# Altium PCB roach2.PcbDoc (part 4 of 39) (continued)
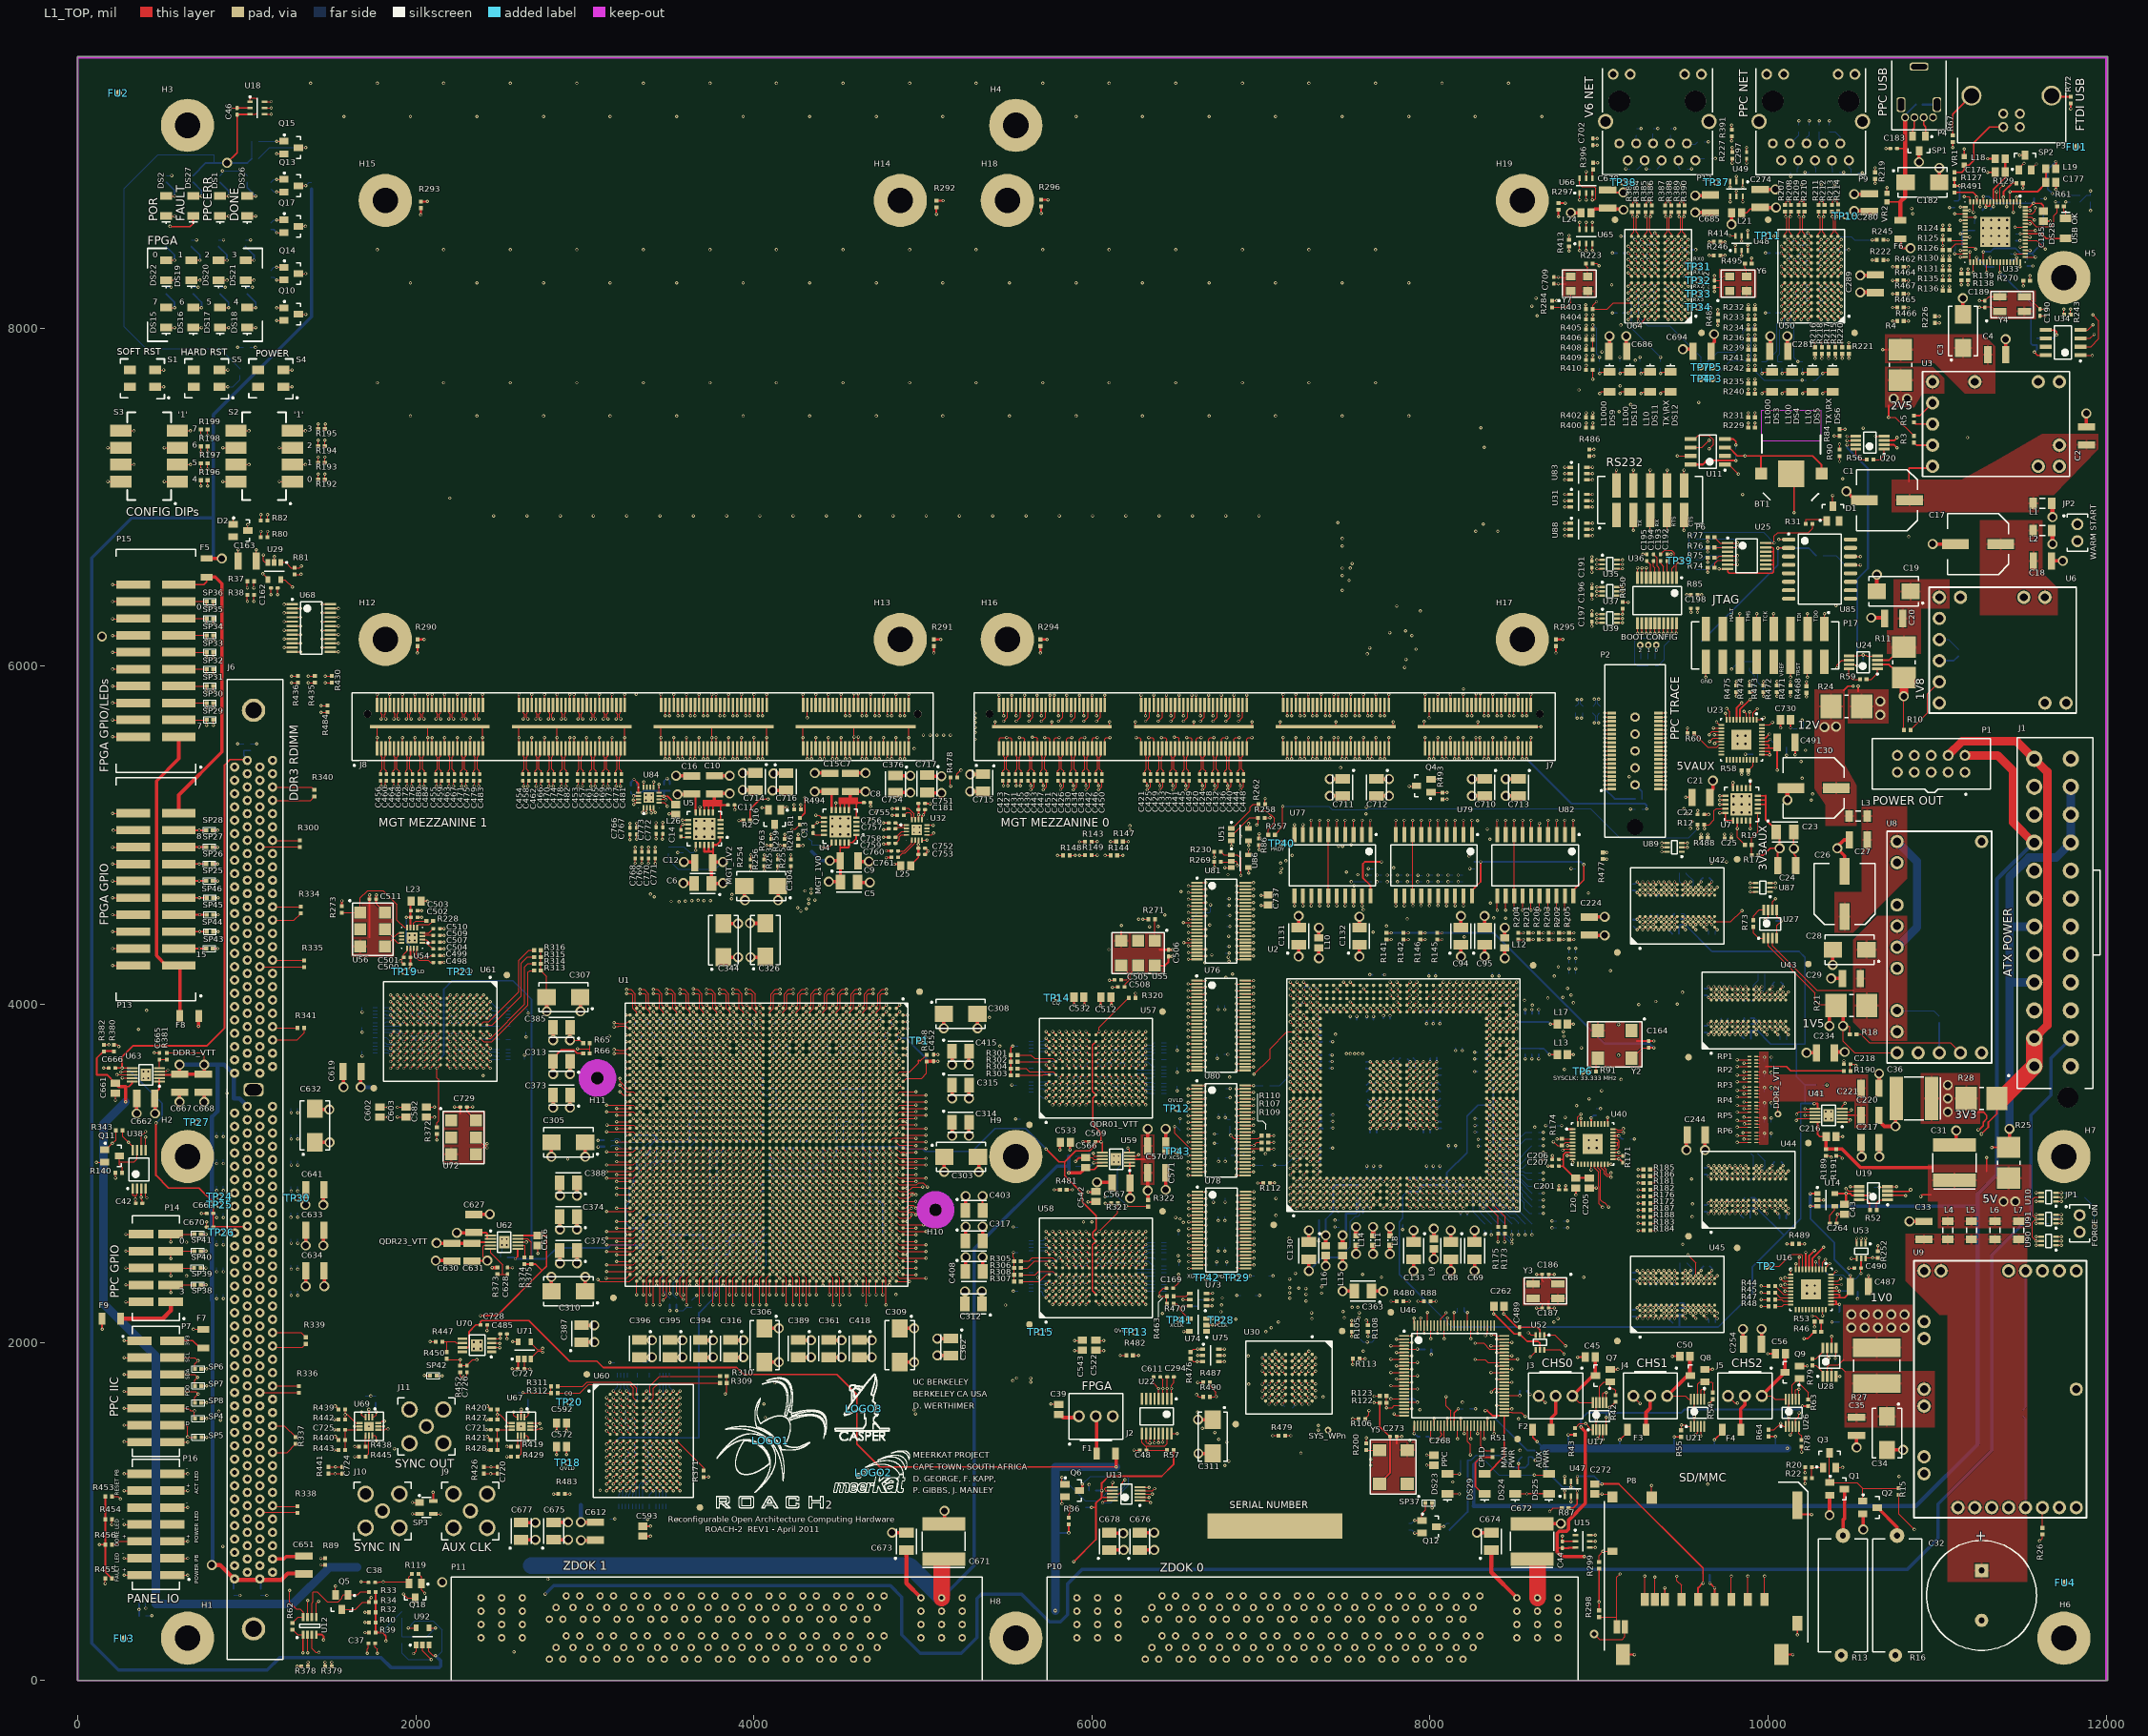
[diagram p0: L1_TOP view]
## Footprints (in the part's own frame and the unit in brackets; to place one, negate y for a bottom-side part, rotate by r counter-clockwise, add the part's x,y. Pads: shape width x height; smd on the part's side, far side on the other; paste and mask are expansions set on the pad) (continued)
J4(-17.5,12.5) J5(-16.5,12.5) J6(-15.5,12.5) J7(-14.5,12.5) J8(-13.5,12.5) J9(-12.5,12.5) J10(-11.5,12.5) J11(-10.5,12.5) J12(-9.5,12.5) J13(-8.5,12.5) J14(-7.5,12.5) J15(-6.5,12.5) J16(-5.5,12.5) J17(-4.5,12.5) J18(-3.5,12.5) J19(-2.5,12.5) J20(-1.5,12.5) J21(-0.5,12.5) J22(0.5,12.5) J23(1.5,12.5) J24(2.5,12.5) J25(3.5,12.5) J26(4.5,12.5) J27(5.5,12.5) J28(6.5,12.5) J29(7.5,12.5) J30(8.5,12.5) J31(9.5,12.5) J32(10.5,12.5) J33(11.5,12.5) J34(12.5,12.5) J35(13.5,12.5) J36(14.5,12.5) J37(15.5,12.5) J38(16.5,12.5) J39(17.5,12.5) J40(18.5,12.5) J41(19.5,12.5) J42(20.5,12.5) K1(-20.5,11.5) K2(-19.5,11.5) K3(-18.5,11.5) K4(-17.5,11.5) K5(-16.5,11.5) K6(-15.5,11.5) K7(-14.5,11.5) K8(-13.5,11.5) K9(-12.5,11.5) K10(-11.5,11.5) K11(-10.5,11.5) K12(-9.5,11.5) K13(-8.5,11.5) K14(-7.5,11.5) K15(-6.5,11.5) K16(-5.5,11.5) K17(-4.5,11.5) K18(-3.5,11.5) K19(-2.5,11.5) K20(-1.5,11.5) K21(-0.5,11.5) K22(0.5,11.5) K23(1.5,11.5) K24(2.5,11.5) K25(3.5,11.5) K26(4.5,11.5) K27(5.5,11.5) K28(6.5,11.5) K29(7.5,11.5) K30(8.5,11.5) K31(9.5,11.5) K32(10.5,11.5) K33(11.5,11.5) K34(12.5,11.5) K35(13.5,11.5) K36(14.5,11.5) K37(15.5,11.5) K38(16.5,11.5) K39(17.5,11.5) K40(18.5,11.5) K41(19.5,11.5) K42(20.5,11.5) L1(-20.5,10.5) L2(-19.5,10.5) L3(-18.5,10.5) L4(-17.5,10.5) L5(-16.5,10.5) L6(-15.5,10.5) L7(-14.5,10.5) L8(-13.5,10.5) L9(-12.5,10.5) L10(-11.5,10.5) L11(-10.5,10.5) L12(-9.5,10.5) L13(-8.5,10.5) L14(-7.5,10.5) L15(-6.5,10.5) L16(-5.5,10.5) L17(-4.5,10.5) L18(-3.5,10.5) L19(-2.5,10.5) L20(-1.5,10.5) L21(-0.5,10.5) L22(0.5,10.5) L23(1.5,10.5) L24(2.5,10.5) L25(3.5,10.5) L26(4.5,10.5) L27(5.5,10.5) L28(6.5,10.5) L29(7.5,10.5) L30(8.5,10.5) L31(9.5,10.5) L32(10.5,10.5) L33(11.5,10.5) L34(12.5,10.5) L35(13.5,10.5) L36(14.5,10.5) L37(15.5,10.5) L38(16.5,10.5) L39(17.5,10.5) L40(18.5,10.5) L41(19.5,10.5) L42(20.5,10.5) M1(-20.5,9.5) M2(-19.5,9.5) M3(-18.5,9.5) M4(-17.5,9.5) M5(-16.5,9.5) M6(-15.5,9.5) M7(-14.5,9.5) M8(-13.5,9.5) M9(-12.5,9.5) M10(-11.5,9.5) M11(-10.5,9.5) M12(-9.5,9.5) M13(-8.5,9.5) M14(-7.5,9.5) M15(-6.5,9.5) M16(-5.5,9.5) M17(-4.5,9.5) M18(-3.5,9.5) M19(-2.5,9.5) M20(-1.5,9.5) M21(-0.5,9.5) M22(0.5,9.5) M23(1.5,9.5) M24(2.5,9.5) M25(3.5,9.5) M26(4.5,9.5) M27(5.5,9.5) M28(6.5,9.5) M29(7.5,9.5) M30(8.5,9.5) M31(9.5,9.5) M32(10.5,9.5) M33(11.5,9.5) M34(12.5,9.5) M35(13.5,9.5) M36(14.5,9.5) M37(15.5,9.5) M38(16.5,9.5) M39(17.5,9.5) M40(18.5,9.5) M41(19.5,9.5) M42(20.5,9.5) N1(-20.5,8.5) N2(-19.5,8.5) N3(-18.5,8.5) N4(-17.5,8.5) N5(-16.5,8.5) N6(-15.5,8.5) N7(-14.5,8.5) N8(-13.5,8.5) N9(-12.5,8.5) N10(-11.5,8.5) N11(-10.5,8.5) N12(-9.5,8.5) N13(-8.5,8.5) N14(-7.5,8.5) N15(-6.5,8.5) N16(-5.5,8.5) N17(-4.5,8.5) N18(-3.5,8.5) N19(-2.5,8.5) N20(-1.5,8.5) N21(-0.5,8.5) N22(0.5,8.5) N23(1.5,8.5) N24(2.5,8.5) N25(3.5,8.5) N26(4.5,8.5) N27(5.5,8.5) N28(6.5,8.5) N29(7.5,8.5) N30(8.5,8.5) N31(9.5,8.5) N32(10.5,8.5) N33(11.5,8.5) N34(12.5,8.5) N35(13.5,8.5) N36(14.5,8.5) N37(15.5,8.5) N38(16.5,8.5) N39(17.5,8.5) N40(18.5,8.5) N41(19.5,8.5) N42(20.5,8.5) P1(-20.5,7.5) P2(-19.5,7.5) P3(-18.5,7.5) P4(-17.5,7.5) P5(-16.5,7.5) P6(-15.5,7.5) P7(-14.5,7.5) P8(-13.5,7.5) P9(-12.5,7.5) P10(-11.5,7.5) P11(-10.5,7.5) P12(-9.5,7.5) P13(-8.5,7.5) P14(-7.5,7.5) P15(-6.5,7.5) P16(-5.5,7.5) P17(-4.5,7.5) P18(-3.5,7.5) P19(-2.5,7.5) P20(-1.5,7.5) P21(-0.5,7.5) P22(0.5,7.5) P23(1.5,7.5) P24(2.5,7.5) P25(3.5,7.5) P26(4.5,7.5) P27(5.5,7.5) P28(6.5,7.5) P29(7.5,7.5) P30(8.5,7.5) P31(9.5,7.5) P32(10.5,7.5) P33(11.5,7.5) P34(12.5,7.5) P35(13.5,7.5) P36(14.5,7.5) P37(15.5,7.5) P38(16.5,7.5) P39(17.5,7.5) P40(18.5,7.5) P41(19.5,7.5) P42(20.5,7.5) R1(-20.5,6.5) R2(-19.5,6.5) R3(-18.5,6.5) R4(-17.5,6.5) R5(-16.5,6.5) R6(-15.5,6.5) R7(-14.5,6.5) R8(-13.5,6.5) R9(-12.5,6.5) R10(-11.5,6.5) R11(-10.5,6.5) R12(-9.5,6.5) R13(-8.5,6.5) R14(-7.5,6.5) R15(-6.5,6.5) R16(-5.5,6.5) R17(-4.5,6.5) R18(-3.5,6.5) R19(-2.5,6.5) R20(-1.5,6.5) R21(-0.5,6.5) R22(0.5,6.5) R23(1.5,6.5) R24(2.5,6.5) R25(3.5,6.5) R26(4.5,6.5) R27(5.5,6.5) R28(6.5,6.5) R29(7.5,6.5) R30(8.5,6.5) R31(9.5,6.5) R32(10.5,6.5) R33(11.5,6.5) R34(12.5,6.5) R35(13.5,6.5) R36(14.5,6.5) R37(15.5,6.5) R38(16.5,6.5) R39(17.5,6.5) R40(18.5,6.5) R41(19.5,6.5) R42(20.5,6.5) T1(-20.5,5.5) T2(-19.5,5.5) T3(-18.5,5.5) T4(-17.5,5.5) T5(-16.5,5.5) T6(-15.5,5.5) T7(-14.5,5.5) T8(-13.5,5.5) T9(-12.5,5.5) T10(-11.5,5.5) T11(-10.5,5.5) T12(-9.5,5.5) T13(-8.5,5.5) T14(-7.5,5.5) T15(-6.5,5.5) T16(-5.5,5.5) T17(-4.5,5.5) T18(-3.5,5.5) T19(-2.5,5.5) T20(-1.5,5.5) T21(-0.5,5.5) T22(0.5,5.5) T23(1.5,5.5) T24(2.5,5.5) T25(3.5,5.5) T26(4.5,5.5) T27(5.5,5.5) T28(6.5,5.5) T29(7.5,5.5) T30(8.5,5.5) T31(9.5,5.5) T32(10.5,5.5) T33(11.5,5.5) T34(12.5,5.5) T35(13.5,5.5) T36(14.5,5.5) T37(15.5,5.5) T38(16.5,5.5) T39(17.5,5.5) T40(18.5,5.5) T41(19.5,5.5) T42(20.5,5.5) U1(-20.5,4.5) U2(-19.5,4.5) U3(-18.5,4.5) U4(-17.5,4.5) U5(-16.5,4.5) U6(-15.5,4.5) U7(-14.5,4.5) U8(-13.5,4.5) U9(-12.5,4.5) U10(-11.5,4.5) U11(-10.5,4.5) U12(-9.5,4.5) U13(-8.5,4.5) U14(-7.5,4.5) U15(-6.5,4.5) U16(-5.5,4.5) U17(-4.5,4.5) U18(-3.5,4.5) U19(-2.5,4.5) U20(-1.5,4.5) U21(-0.5,4.5) U22(0.5,4.5) U23(1.5,4.5) U24(2.5,4.5) U25(3.5,4.5) U26(4.5,4.5) U27(5.5,4.5) U28(6.5,4.5) U29(7.5,4.5) U30(8.5,4.5) U31(9.5,4.5) U32(10.5,4.5) U33(11.5,4.5) U34(12.5,4.5) U35(13.5,4.5) U36(14.5,4.5) U37(15.5,4.5) U38(16.5,4.5) U39(17.5,4.5) U40(18.5,4.5) U41(19.5,4.5) U42(20.5,4.5) V1(-20.5,3.5) V2(-19.5,3.5) V3(-18.5,3.5) V4(-17.5,3.5) V5(-16.5,3.5) V6(-15.5,3.5) V7(-14.5,3.5) V8(-13.5,3.5) V9(-12.5,3.5) V10(-11.5,3.5) V11(-10.5,3.5) V12(-9.5,3.5) V13(-8.5,3.5) V14(-7.5,3.5) V15(-6.5,3.5) V16(-5.5,3.5) V17(-4.5,3.5) V18(-3.5,3.5) V19(-2.5,3.5) V20(-1.5,3.5) V21(-0.5,3.5) V22(0.5,3.5) V23(1.5,3.5) V24(2.5,3.5) V25(3.5,3.5) V26(4.5,3.5) V27(5.5,3.5) V28(6.5,3.5) V29(7.5,3.5) V30(8.5,3.5) V31(9.5,3.5) V32(10.5,3.5) V33(11.5,3.5) V34(12.5,3.5) V35(13.5,3.5) V36(14.5,3.5) V37(15.5,3.5) V38(16.5,3.5) V39(17.5,3.5) V40(18.5,3.5) V41(19.5,3.5) V42(20.5,3.5) W1(-20.5,2.5) W2(-19.5,2.5) W3(-18.5,2.5) W4(-17.5,2.5) W5(-16.5,2.5) W6(-15.5,2.5) W7(-14.5,2.5) W8(-13.5,2.5) W9(-12.5,2.5) W10(-11.5,2.5) W11(-10.5,2.5) W12(-9.5,2.5) W13(-8.5,2.5) W14(-7.5,2.5) W15(-6.5,2.5) W16(-5.5,2.5) W17(-4.5,2.5) W18(-3.5,2.5) W19(-2.5,2.5) W20(-1.5,2.5) W21(-0.5,2.5) W22(0.5,2.5) W23(1.5,2.5) W24(2.5,2.5) W25(3.5,2.5) W26(4.5,2.5) W27(5.5,2.5) W28(6.5,2.5) W29(7.5,2.5) W30(8.5,2.5) W31(9.5,2.5) W32(10.5,2.5) W33(11.5,2.5) W34(12.5,2.5) W35(13.5,2.5) W36(14.5,2.5) W37(15.5,2.5) W38(16.5,2.5) W39(17.5,2.5) W40(18.5,2.5) W41(19.5,2.5) W42(20.5,2.5) Y1(-20.5,1.5) Y2(-19.5,1.5) Y3(-18.5,1.5) Y4(-17.5,1.5) Y5(-16.5,1.5) Y6(-15.5,1.5) Y7(-14.5,1.5) Y8(-13.5,1.5) Y9(-12.5,1.5) Y10(-11.5,1.5) Y11(-10.5,1.5) Y12(-9.5,1.5) Y13(-8.5,1.5) Y14(-7.5,1.5) Y15(-6.5,1.5) Y16(-5.5,1.5) Y17(-4.5,1.5) Y18(-3.5,1.5) Y19(-2.5,1.5) Y20(-1.5,1.5) Y21(-0.5,1.5) Y22(0.5,1.5) Y23(1.5,1.5) Y24(2.5,1.5) Y25(3.5,1.5) Y26(4.5,1.5) Y27(5.5,1.5) Y28(6.5,1.5) Y29(7.5,1.5) Y30(8.5,1.5) Y31(9.5,1.5) Y32(10.5,1.5) Y33(11.5,1.5) Y34(12.5,1.5) Y35(13.5,1.5) Y36(14.5,1.5) Y37(15.5,1.5) Y38(16.5,1.5) Y39(17.5,1.5) Y40(18.5,1.5) Y41(19.5,1.5) Y42(20.5,1.5)
  round 1 smd paste-1 mask+0.5: FU1(-23,23) FU2(23,-23)
  silkscreen extent -22.02,-21.25 21.25,21.25, body extent -21.25,-21.25 21.25,21.25, height 3.5
FIDUCIAL_1MM [mm] "1mm Fiducial"
  round 1 smd paste-1 mask+0.5: 1(0,0)
  round 1 smd far side paste-1 mask+0.5: 2(0,0)
  body extent -0.5,-0.5 0.5,0.5, height 0.02
FUSMC3215X145 [mm] "Chip Fuse,  Molded Body, 3.2mm L x 2.5mm W"
  rect 1x1.8 smd: 1(-1.4,0) 2(1.4,0)
  body extent -1.78,-0.89 1.78,0.89, height 1.45
HALO_HFJ11-1G02E-L55 [mm] "HALO, Gigabit Ethernet PHY with integrated LEDs"
  round 1.5 hole 0.9: 1(-5.71,8.89) 2(-4.44,6.35) 3(-3.17,8.89) 4(-1.9,6.35) 5(-0.63,8.89) 6(0.64,6.35) 7(1.91,8.89) 8(3.18,6.35) 9(4.45,8.89) 10(5.72,6.35)
  round 1.62 hole 1.02: 11(-6.63,-4.06) 12(-4.09,-4.06) 13(4.09,-4.06) 14(6.63,-4.06)
  round 3.2 hole 3.25 unplated: 15(-5.715,0) 16(5.715,0)
  round 2.3 hole 1.6: 17(-7.775,3.05) 18(7.775,3.05)
  silkscreen extent -8.26,-4.95 8.25,11.05, body extent -8,-10.92 7.87,10.67, height 14
INDC1608X130L [mm] "Chip Inductor, 2-Leads, Body 1.6x0.8mm, IPC High Density"
  rect 0.8x0.85 smd: 1(-0.7,0) 2(0.7,0)
  silkscreen extent -0.1,-0.33 0.1,0.33, body extent -0.88,-0.48 0.87,0.48, height 1.3
INDC2012X130L [mm] "Chip Inductor, 2-Leads, Body 2.0x1.3mm, IPC High Density"
  rect 1.1x1.35 smd: 1(-0.75,0) 2(0.75,0)
  body extent -1.1,-0.72 1.1,0.72, height 1.3
INDC3216X130L [mm] "Chip Inductor, 2-Leads, Body 3.2x1.6mm, IPC High Density"
  rect 1.15x1.7 smd: 1(-1.375,0) 2(1.375,0)
  silkscreen extent -0.4,-0.75 0.4,0.75, body extent -1.7,-0.9 1.7,0.9, height 1.3
KEYELCO_2998 [mm] "Surface Mount Cell Retainer"
  rect 1.8x1.8 smd: 1(-4.55,0) 3(4.55,0)
  rect 3.96x3.96 smd: 2(0,0)
  L1_TOP keep-out region: -4.5,5 4.5,5 4.5,9.5 -4.5,9.5
  silkscreen extent -4.4,-4 4.4,5.9, body extent -5.3,-4 5.3,5, height 2.6
LAA064 [mm] "64-Ball Fortified Ball Grid Array Rectangular 1 mm Pitch"
  round 0.5 smd: A1(-3.5,3.5) A2(-2.5,3.5) A3(-1.5,3.5) A4(-0.5,3.5) A5(0.5,3.5) A6(1.5,3.5) A7(2.5,3.5) A8(3.5,3.5) B1(-3.5,2.5) B2(-2.5,2.5) B3(-1.5,2.5) B4(-0.5,2.5) B5(0.5,2.5) B6(1.5,2.5) B7(2.5,2.5) B8(3.5,2.5) C1(-3.5,1.5) C2(-2.5,1.5) C3(-1.5,1.5) C4(-0.5,1.5) C5(0.5,1.5) C6(1.5,1.5) C7(2.5,1.5) C8(3.5,1.5) D1(-3.5,0.5) D2(-2.5,0.5) D3(-1.5,0.5) D4(-0.5,0.5) D5(0.5,0.5) D6(1.5,0.5) D7(2.5,0.5) D8(3.5,0.5) E1(-3.5,-0.5) E2(-2.5,-0.5) E3(-1.5,-0.5) E4(-0.5,-0.5) E5(0.5,-0.5) E6(1.5,-0.5) E7(2.5,-0.5) E8(3.5,-0.5) F1(-3.5,-1.5) F2(-2.5,-1.5) F3(-1.5,-1.5) F4(-0.5,-1.5) F5(0.5,-1.5) F6(1.5,-1.5) F7(2.5,-1.5) F8(3.5,-1.5) G1(-3.5,-2.5) G2(-2.5,-2.5) G3(-1.5,-2.5) G4(-0.5,-2.5) G5(0.5,-2.5) G6(1.5,-2.5) G7(2.5,-2.5) G8(3.5,-2.5) H1(-3.5,-3.5) H2(-2.5,-3.5) H3(-1.5,-3.5) H4(-0.5,-3.5) H5(0.5,-3.5) H6(1.5,-3.5) H7(2.5,-3.5) H8(3.5,-3.5)
  round 1 smd paste-1 mask+0.5: FU1(-7,8) FU2(7,-8)
  silkscreen extent -6.27,-6.5 5.5,6.5, body extent -5.5,-6.5 5.5,6.5, height 1.4
LEDC3216X120N [mm] "LED Chip, 3.2mm x 1.6mm"
  rect 1.15x1.8 smd: 1(-1.5,0) 2(1.5,0)
  silkscreen extent -2.67,-0.64 -2.41,0.63, body extent -1.52,-0.89 1.52,0.89, height 1.2
LFCSP_VQ-12 [mm] "12-pin Lead Frame Chip Scale Package with thermal pad"
  rect 0.95x0.3 smd: 1(-1.4,0.5) 2(-1.4,0) 3(-1.4,-0.5) 7(1.4,-0.5) 8(1.4,0) 9(1.4,0.5)
  rect 0.3x0.95 smd: 4(-0.5,-1.4) 5(0,-1.4) 6(0.5,-1.4) 10(0.5,1.4) 11(0,1.4) 12(-0.5,1.4)
  rect 1.4x1.4 smd paste-0.21: 13(0,0)
  silkscreen extent -2.75,-2.16 2.16,2.16, body extent -1.52,-1.52 1.52,1.52, height 1
MEERKAT_LOGO [mil]
  silkscreen extent -236,-115 214,132, body extent -240,-120 220,140, height 1
MH_ATX [mm] "3.81mm Diameter Plated Hole"
  round 8 / inner round 5.81 / far side round 5.81 hole 3.81: 1(0,0)
  L16_BOT keep-out circle w3.81: c0,0 r1.838
  body extent -3.98,-3.98 3.98,4, height 0.02
MH_FANATX [mm] "3.2mm Diameter Unplated Hole"
  round 3.1 hole 3.2 unplated: 1(0,0)
  L1_TOP keep-out circle w1.888: c0,0 r1.888
  L16_BOT keep-out circle w1.888: c0.017,0 r1.888
  body extent -3.12,-3.1 3.05,3.09, height 0.02
MLF-16 [mm]
  rect 0.8x0.28 smd: 1(-1.55,0.75) 2(-1.55,0.25) 3(-1.55,-0.25) 4(-1.55,-0.75) 9(1.55,-0.75) 10(1.55,-0.25) 11(1.55,0.25) 12(1.55,0.75)
  rect 0.28x0.8 smd: 5(-0.75,-1.55) 6(-0.25,-1.55) 7(0.25,-1.55) 8(0.75,-1.55) 13(0.75,1.55) 14(0.25,1.55) 15(-0.25,1.55) 16(-0.75,1.55)
  rect 1.6x1.6 smd paste-0.24: 17(0,0)
  silkscreen extent -2.52,-1.55 1.55,1.55, body extent -1.52,-1.53 1.53,1.52, height 0.85
MOLEX_67068-8001 [mm] "Mollex, Shielded, TYBE-B USB Connector"
  round 1.5 hole 0.92: 1(1.25,1) 2(-1.25,1) 3(-1.25,-1) 4(1.25,-1)
  round 3 hole 2.3: 5(6.02,-3.71) 6(-6.02,-3.71)
  silkscreen extent -8.13,-6.35 8.13,3.4, body extent -7.39,-14.02 7.47,2.98, height 11.5
MOLEX_0015912100 [mm] "MOLEX, 5X2 Header"
  rect 1.27x3.68 smd: 1(-5.08,-2.22) 2(-2.54,-2.22) 3(0,-2.22) 4(2.54,-2.22) 5(5.08,-2.22) 6(-5.08,2.22) 7(-2.54,2.22) 8(0,2.22) 9(2.54,2.22) 10(5.08,2.22)
  silkscreen extent -7.87,-4.32 7.87,3.56, body extent -6.35,-3.49 6.35,3.49, height 9.64
MOLEX_0022032021 [mm] "MOLEX, through-hole, 2.56mm pitch, 1x2 Connector"
  round 1.8 hole 1.1: 1(-1.27,0) 2(1.27,0)
  silkscreen extent -2.79,-2.16 2.79,1.52, body extent -2.41,-1.17 2.41,1.17, height 11.14
MOLEX_0022232031 [mm] "MOLEX, through-hole, 2.56mm pitch, 1x3 Connector"
  round 1.8 hole 1.1: 1(-2.54,0) 2(0,0) 3(2.54,0)
  silkscreen extent -4.06,-4.32 4.06,3.43, body extent -3.81,-3.17 3.81,3.17, height 11.08
MOLEX_0442060007 [mm] "MOLEX, 24-pin ATX Header"
  round 2.45 hole 1.45: 1(-23.1,2.75) 2(-18.9,2.75) 3(-14.7,2.75) 4(-10.5,2.75) 5(-6.3,2.75) 6(-2.1,2.75) 7(2.1,2.75) 8(6.3,2.75) 9(10.5,2.75) 10(14.7,2.75) 11(18.9,2.75) 12(23.1,2.75) 13(-23.1,-2.75) 14(-18.9,-2.75) 15(-14.7,-2.75) 16(-10.5,-2.75) 17(-6.3,-2.75) 18(-2.1,-2.75) 19(2.1,-2.75) 20(6.3,-2.75) 21(10.5,-2.75) 22(14.7,-2.75) 23(18.9,-2.75) 24(23.1,-2.75)
  round 3.048 hole 3.125 unplated: 25(-27.8,-2.29)
  silkscreen extent -26.42,-7.11 26.29,6.73, body extent -28.83,-6.01 26.02,4.99, height 13
MOLEX_0894858001 [mm] "MOLEX, TYBE-A USB Connector, Veritcal"
  round 1.2 hole 0.8: 1(2.1,1.92) 2(0.7,1.92) 3(-0.7,1.92) 4(-2.1,1.92)
  rrect50% 1.3x2.2 hole 1 slot 1.9 at 90 deg: 5(2.7,0) 6(-2.7,0)
  rrect50% 2.8x1.2 hole 0.8 slot 2.4 at 0 deg: 7(0,-5.7)
  silkscreen extent -4.06,-6.6 4.06,3.81, body extent -3.84,-10.6 3.86,3.4, height 15.12
MOLEX_5035000991 [mm] "Molex SD Card connector with Card Detect"
  rect 1.2x1.95 smd: 1(-6.25,0) 2(-3.75,0) 3(-1.25,0) 4(1.25,0) 5(3.75,0) 6(6.25,0) 7(7.75,0) 8(9.25,0) 9(-8.75,0)
  rect 0.95x2 smd: 10(12.245,4.165) 13(13.445,4.165)
  rect 1.5x1.1 smd: 11(14.095,-7.205)
  rect 1.6x1.87 smd: 12(8.225,-15.26)
  rect 2.1x3.2 smd: SH1(-11.275,8.305) SH2(12.525,8.305)
  rect 1.55x2.2 smd: SH3(-13.68,3.625)
  rect 1.55x4.17 smd: SH4(-13.68,-14.11)
  rect 1.5x1.65 smd: SH5(14.095,-15.37)
  silkscreen extent -15.24,-17.6 15.37,7.69, body extent -14.13,-15.78 14.47,12.02, height 3
MSOP_10-N [mm]
  rect 1.65x0.3 smd: 1(-2.05,1) 2(-2.05,0.5) 3(-2.05,0) 4(-2.05,-0.5) 5(-2.05,-1) 6(2.05,-1) 7(2.05,-0.5) 8(2.05,0) 9(2.05,0.5) 10(2.05,1)
  rect 1.57x1.88 smd paste-0.282: 11(0,0)
  silkscreen extent -2.18,-1.55 1.02,1.82, body extent -1.55,-1.55 1.55,1.55, height 1.1
PGB1010402 [mm] "Surface mount, ESD protection"
  rect 0.6x0.6 smd: 1(-0.492,0) 2(0.508,0)
  silkscreen extent -0.95,-0.46 0.97,0.46, body extent -0.54,-0.3 0.56,0.3, height 0.31
PW08#1 [mm]
  rect 1.6x0.45 smd: 1(-2.125,0.975) 2(-2.125,0.325) 3(-2.125,-0.325) 4(-2.125,-0.975) 5(2.125,-0.975) 6(2.125,-0.325) 7(2.125,0.325) 8(2.125,0.975)
  silkscreen extent -2.25,-1.55 0.93,1.87, body extent -1.55,-1.55 1.55,1.55, height 1.1
PW08#2 [mm]
  rect 1.4x0.4 smd: 1(-2.2,0.975) 2(-2.2,0.325) 3(-2.2,-0.325) 4(-2.2,-0.975) 5(2.2,-0.975) 6(2.2,-0.325) 7(2.2,0.325) 8(2.2,0.975)
  rect 1.8x1.8 smd paste-0.27: 9(0,0)
  silkscreen extent -2.25,-1.55 1.2,1.87, body extent -1.55,-1.55 1.55,1.55, height 1.1
PW014 [mm] "Plastic Small Outline Package, 14Pin"
  rect 1.7x0.35 smd: 1(-2.85,1.95) 2(-2.85,1.3) 3(-2.85,0.65) 4(-2.85,0) 5(-2.85,-0.65) 6(-2.85,-1.3) 7(-2.85,-1.95) 8(2.85,-1.95) 9(2.85,-1.3) 10(2.85,-0.65) 11(2.85,0) 12(2.85,0.65) 13(2.85,1.3) 14(2.85,1.95)
  silkscreen extent -2.97,-2.55 1.6,2.8, body extent -2.2,-2.55 2.2,2.55, height 1.2
PW020 [mm] "Plastic Small Outline Package, 20Pin"
  rect 2.25x0.6 smd: 1(-4.6,5.715) 2(-4.6,4.445) 3(-4.6,3.175) 4(-4.6,1.905) 5(-4.6,0.635) 6(-4.6,-0.635) 7(-4.6,-1.905) 8(-4.6,-3.175) 9(-4.6,-4.445) 10(-4.6,-5.715) 11(4.6,-5.715) 12(4.6,-4.445) 13(4.6,-3.175) 14(4.6,-1.905) 15(4.6,-0.635) 16(4.6,0.635) 17(4.6,1.905) 18(4.6,3.175) 19(4.6,4.445) 20(4.6,5.715)
  silkscreen extent -4.72,-6.5 3.07,6.69, body extent -3.8,-6.5 3.8,6.5, height 2.65
PW024 [mm] "Plastic Small Outline Package, 24Pin"
  rect 1.7x0.35 smd: 1(-2.85,3.575) 2(-2.85,2.925) 3(-2.85,2.275) 4(-2.85,1.625) 5(-2.85,0.975) 6(-2.85,0.325) 7(-2.85,-0.325) 8(-2.85,-0.975) 9(-2.85,-1.625) 10(-2.85,-2.275) 11(-2.85,-2.925) 12(-2.85,-3.575) 13(2.85,-3.575) 14(2.85,-2.925) 15(2.85,-2.275) 16(2.85,-1.625) 17(2.85,-0.975) 18(2.85,-0.325) 19(2.85,0.325) 20(2.85,0.975) 21(2.85,1.625) 22(2.85,2.275) 23(2.85,2.925) 24(2.85,3.575)
  silkscreen extent -2.97,-3.95 1.6,4.42, body extent -2.25,-3.95 2.25,3.95, height 1.2
PW048 [mm]
  rect 1.75x0.3 smd: 1(-3.625,5.75) 2(-3.625,5.25) 3(-3.625,4.75) 4(-3.625,4.25) 5(-3.625,3.75) 6(-3.625,3.25) 7(-3.625,2.75) 8(-3.625,2.25) 9(-3.625,1.75) 10(-3.625,1.25) 11(-3.625,0.75) 12(-3.625,0.25) 13(-3.625,-0.25) 14(-3.625,-0.75) 15(-3.625,-1.25) 16(-3.625,-1.75) 17(-3.625,-2.25) 18(-3.625,-2.75) 19(-3.625,-3.25) 20(-3.625,-3.75) 21(-3.625,-4.25) 22(-3.625,-4.75) 23(-3.625,-5.25) 24(-3.625,-5.75) 25(3.625,-5.75) 26(3.625,-5.25) 27(3.625,-4.75) 28(3.625,-4.25) 29(3.625,-3.75) 30(3.625,-3.25) 31(3.625,-2.75) 32(3.625,-2.25) 33(3.625,-1.75) 34(3.625,-1.25) 35(3.625,-0.75) 36(3.625,-0.25) 37(3.625,0.25) 38(3.625,0.75) 39(3.625,1.25) 40(3.625,1.75) 41(3.625,2.25) 42(3.625,2.75) 43(3.625,3.25) 44(3.625,3.75) 45(3.625,4.25) 46(3.625,4.75) 47(3.625,5.25) 48(3.625,5.75)
  silkscreen extent -3.75,-6.3 2.35,6.57, body extent -3.1,-6.3 3.1,6.3, height 1.2
PW056 [mm]
  rect 1.75x0.3 smd: 1(-3.625,6.75) 2(-3.625,6.25) 3(-3.625,5.75) 4(-3.625,5.25) 5(-3.625,4.75) 6(-3.625,4.25) 7(-3.625,3.75) 8(-3.625,3.25) 9(-3.625,2.75) 10(-3.625,2.25) 11(-3.625,1.75) 12(-3.625,1.25) 13(-3.625,0.75) 14(-3.625,0.25) 15(-3.625,-0.25) 16(-3.625,-0.75) 17(-3.625,-1.25) 18(-3.625,-1.75) 19(-3.625,-2.25) 20(-3.625,-2.75) 21(-3.625,-3.25) 22(-3.625,-3.75) 23(-3.625,-4.25) 24(-3.625,-4.75) 25(-3.625,-5.25) 26(-3.625,-5.75) 27(-3.625,-6.25) 28(-3.625,-6.75) 29(3.625,-6.75) 30(3.625,-6.25) 31(3.625,-5.75) 32(3.625,-5.25) 33(3.625,-4.75) 34(3.625,-4.25) 35(3.625,-3.75) 36(3.625,-3.25) 37(3.625,-2.75) 38(3.625,-2.25) 39(3.625,-1.75) 40(3.625,-1.25) 41(3.625,-0.75) 42(3.625,-0.25) 43(3.625,0.25) 44(3.625,0.75) 45(3.625,1.25) 46(3.625,1.75) 47(3.625,2.25) 48(3.625,2.75) 49(3.625,3.25) 50(3.625,3.75) 51(3.625,4.25) 52(3.625,4.75) 53(3.625,5.25) 54(3.625,5.75) 55(3.625,6.25) 56(3.625,6.75)
  silkscreen extent -3.75,-7.05 2.35,7.57, body extent -3.1,-7.05 3.1,7.05, height 1.2
QFN64 [mm] "QFN, 64-Leads, Body 9.1x9.1mm (max), Pitch 0.50mm, IPC Medium Density"
  rect 0.8x0.3 smd: 1(-4.525,3.75) 2(-4.525,3.25) 3(-4.525,2.75) 4(-4.525,2.25) 5(-4.525,1.75) 6(-4.525,1.25) 7(-4.525,0.75) 8(-4.525,0.25) 9(-4.525,-0.25) 10(-4.525,-0.75) 11(-4.525,-1.25) 12(-4.525,-1.75) 13(-4.525,-2.25) 14(-4.525,-2.75) 15(-4.525,-3.25) 16(-4.525,-3.75) 33(4.525,-3.75) 34(4.525,-3.25) 35(4.525,-2.75) 36(4.525,-2.25) 37(4.525,-1.75) 38(4.525,-1.25) 39(4.525,-0.75) 40(4.525,-0.25) 41(4.525,0.25) 42(4.525,0.75) 43(4.525,1.25) 44(4.525,1.75) 45(4.525,2.25) 46(4.525,2.75) 47(4.525,3.25) 48(4.525,3.75)
  rect 0.3x0.8 smd: 17(-3.75,-4.525) 18(-3.25,-4.525) 19(-2.75,-4.525) 20(-2.25,-4.525) 21(-1.75,-4.525) 22(-1.25,-4.525) 23(-0.75,-4.525) 24(-0.25,-4.525) 25(0.25,-4.525) 26(0.75,-4.525) 27(1.25,-4.525) 28(1.75,-4.525) 29(2.25,-4.525) 30(2.75,-4.525) 31(3.25,-4.525) 32(3.75,-4.525) 49(3.75,4.525) 50(3.25,4.525) 51(2.75,4.525) 52(2.25,4.525) 53(1.75,4.525) 54(1.25,4.525) 55(0.75,4.525) 56(0.25,4.525) 57(-0.25,4.525) 58(-0.75,4.525) 59(-1.25,4.525) 60(-1.75,4.525) 61(-2.25,4.525) 62(-2.75,4.525) 63(-3.25,4.525) 64(-3.75,4.525)
  rect 4.5x4.5 smd paste-0.675: 65(0,0)
  silkscreen extent -5.52,-4.55 4.55,4.55, body extent -4.53,-4.53 4.53,4.53, height 1
QSOP-16 [mm]
  rect 1.8x0.35 smd: 1(-2.6,2.222) 2(-2.6,1.587) 3(-2.6,0.952) 4(-2.6,0.317) 5(-2.6,-0.318) 6(-2.6,-0.953) 7(-2.6,-1.588) 8(-2.6,-2.223) 9(2.6,-2.222) 10(2.6,-1.587) 11(2.6,-0.952) 12(2.6,-0.317) 13(2.6,0.318) 14(2.6,0.953) 15(2.6,1.588) 16(2.6,2.223)
  silkscreen extent -2.72,-2.5 1.3,3.07, body extent -1.99,-2.49 1.99,2.49, height 1.73
RESC1005X40L [mm] "Chip Resistor, Body 1.1x0.5mm, IPC High Density"
  rect 0.6x0.6 smd: 1(-0.5,0) 2(0.5,0)
  body extent -0.55,-0.3 0.55,0.3, height 0.4
RESC6332X90M [mm] "Chip Resistor, 2-Leads, Body 6.3x3.2mm, IPC Low Density"
  rect 3.2x3.55 smd: 1(-2.3,0) 2(2.3,0)
  silkscreen extent -0.3,-1.67 0.3,1.67, body extent -3.3,-1.72 3.3,1.72, height 0.9
RESC6867X140M [mm] "Chip Resistor, 2-Leads, Body 6.8x6.7mm, IPC Low Density"
  rect 2.8x7.1 smd: 1(-2.7,0) 2(2.7,0)
  silkscreen extent -0.9,-3.45 0.9,3.45, body extent -3.53,-3.48 3.53,3.48, height 1.35
RESCAV50P100X200X45-8L [mm]
  rect 0.55x0.2 smd: 1(-0.5,0.75) 2(-0.5,0.25) 3(-0.5,-0.25) 4(-0.5,-0.75) 5(0.5,-0.75) 6(0.5,-0.25) 7(0.5,0.25) 8(0.5,0.75)
  body extent -0.64,-0.89 0.64,0.89, height 0.4
ROACH2_LOGO [mil]
  silkscreen extent -321,-396 335,375, body extent -325,-435 365,385, height 1
SAMTEC_QMSS-064-06_75-L-D-A-DP [mil] "SAMTEC, 64-pair, QMSS-DP Series Connector"
  rect 16x85 smd: A1(-1546.71,-127.5) A2(-1521.71,-127.5) A3(-1471.71,-127.5) A4(-1446.71,-127.5) A5(-1396.71,-127.5) A6(-1371.71,-127.5) A7(-1321.71,-127.5) A8(-1296.71,-127.5) A9(-1221.71,-127.5) A10(-1196.71,-127.5) A11(-1146.71,-127.5) A12(-1121.71,-127.5) A13(-1071.71,-127.5) A14(-1046.71,-127.5) A15(-996.71,-127.5) A16(-971.71,-127.5) A17(-1546.71,127.5) A18(-1521.71,127.5) A19(-1471.71,127.5) A20(-1446.71,127.5) A21(-1396.71,127.5) A22(-1371.71,127.5) A23(-1321.71,127.5) A24(-1296.71,127.5) A25(-1221.71,127.5) A26(-1196.71,127.5) A27(-1146.71,127.5) A28(-1121.71,127.5) A29(-1071.71,127.5) A30(-1046.71,127.5) A31(-996.71,127.5) A32(-971.71,127.5) AG1(-1571.71,-127.5) AG2(-1496.71,-127.5) AG3(-1421.71,-127.5) AG4(-1346.71,-127.5) AG5(-1271.71,-127.5) AG6(-1246.71,-127.5) AG7(-1171.71,-127.5) AG8(-1096.71,-127.5) AG9(-1021.71,-127.5) AG10(-946.71,-127.5) AG11(-1571.71,127.5) AG12(-1496.71,127.5) AG13(-1421.71,127.5) AG14(-1346.71,127.5) AG15(-1271.71,127.5) AG16(-1246.71,127.5) AG17(-1171.71,127.5) AG18(-1096.71,127.5) AG19(-1021.71,127.5) AG20(-946.71,127.5) B1(-706.71,-127.5) B2(-681.71,-127.5) B3(-631.71,-127.5) B4(-606.71,-127.5) B5(-556.71,-127.5) B6(-531.71,-127.5) B7(-481.71,-127.5) B8(-456.71,-127.5) B9(-381.71,-127.5) B10(-356.71,-127.5) B11(-306.71,-127.5) B12(-281.71,-127.5) B13(-231.71,-127.5) B14(-206.71,-127.5) B15(-156.71,-127.5) B16(-131.71,-127.5) B17(-706.71,127.5) B18(-681.71,127.5) B19(-631.71,127.5) B20(-606.71,127.5) B21(-556.71,127.5) B22(-531.71,127.5) B23(-481.71,127.5) B24(-456.71,127.5) B25(-381.71,127.5) B26(-356.71,127.5) B27(-306.71,127.5) B28(-281.71,127.5) B29(-231.71,127.5) B30(-206.71,127.5) B31(-156.71,127.5) B32(-131.71,127.5) BG1(-731.71,-127.5) BG2(-656.71,-127.5) BG3(-581.71,-127.5) BG4(-506.71,-127.5) BG5(-431.71,-127.5) BG6(-406.71,-127.5) BG7(-331.71,-127.5) BG8(-256.71,-127.5) BG9(-181.71,-127.5) BG10(-106.71,-127.5) BG11(-731.71,127.5) BG12(-656.71,127.5) BG13(-581.71,127.5) BG14(-506.71,127.5) BG15(-431.71,127.5) BG16(-406.71,127.5) BG17(-331.71,127.5) BG18(-256.71,127.5) BG19(-181.71,127.5) BG20(-106.71,127.5) C1(133.29,-127.5) C2(158.29,-127.5) C3(208.29,-127.5) C4(233.29,-127.5) C5(283.29,-127.5) C6(308.29,-127.5) C7(358.29,-127.5) C8(383.29,-127.5) C9(458.29,-127.5) C10(483.29,-127.5) C11(533.29,-127.5) C12(558.29,-127.5) C13(608.29,-127.5) C14(633.29,-127.5) C15(683.29,-127.5) C16(708.29,-127.5) C17(133.29,127.5) C18(158.29,127.5) C19(208.29,127.5) C20(233.29,127.5) C21(283.29,127.5) C22(308.29,127.5) C23(358.29,127.5) C24(383.29,127.5) C25(458.29,127.5) C26(483.29,127.5) C27(533.29,127.5) C28(558.29,127.5) C29(608.29,127.5) C30(633.29,127.5) C31(683.29,127.5) C32(708.29,127.5) CG1(108.29,-127.5) CG2(183.29,-127.5) CG3(258.29,-127.5) CG4(333.29,-127.5) CG5(408.29,-127.5) CG6(433.29,-127.5) CG7(508.29,-127.5) CG8(583.29,-127.5) CG9(658.29,-127.5) CG10(733.29,-127.5) CG11(108.29,127.5) CG12(183.29,127.5) CG13(258.29,127.5) CG14(333.29,127.5) CG15(408.29,127.5) CG16(433.29,127.5) CG17(508.29,127.5) CG18(583.29,127.5) CG19(658.29,127.5) CG20(733.29,127.5) D1(973.29,-127.5) D2(998.29,-127.5) D3(1048.29,-127.5) D4(1073.29,-127.5) D5(1123.29,-127.5) D6(1148.29,-127.5) D7(1198.29,-127.5) D8(1223.29,-127.5) D9(1298.29,-127.5) D10(1323.29,-127.5) D11(1373.29,-127.5) D12(1398.29,-127.5) D13(1448.29,-127.5) D14(1473.29,-127.5) D15(1523.29,-127.5) D16(1548.29,-127.5) D17(973.29,127.5) D18(998.29,127.5) D19(1048.29,127.5) D20(1073.29,127.5) D21(1123.29,127.5) D22(1148.29,127.5) D23(1198.29,127.5) D24(1223.29,127.5) D25(1298.29,127.5) D26(1323.29,127.5) D27(1373.29,127.5) D28(1398.29,127.5) D29(1448.29,127.5) D30(1473.29,127.5) D31(1523.29,127.5) D32(1548.29,127.5) DG1(948.29,-127.5) DG2(1023.29,-127.5) DG3(1098.29,-127.5) DG4(1173.29,-127.5) DG5(1248.29,-127.5) DG6(1273.29,-127.5) DG7(1348.29,-127.5) DG8(1423.29,-127.5) DG9(1498.29,-127.5) DG10(1573.29,-127.5) DG11(948.29,127.5) DG12(1023.29,127.5) DG13(1098.29,127.5) DG14(1173.29,127.5) DG15(1248.29,127.5) DG16(1273.29,127.5) DG17(1348.29,127.5) DG18(1423.29,127.5) DG19(1498.29,127.5) DG20(1573.29,127.5)
  rect 710x20 smd: AGND(-1260,0) BGND(-420,0) CGND(420,0) DGND(1260,0)
  round 45 hole 46 unplated: M1(1626.5,75) M2(-1628.5,75)
  silkscreen extent -1721,-235 1719,200, body extent -1677,-148 1678,148, height 266
SAMTEC_TSM-107-01-TM-DV-P [mm] "SOT23, 3-Leads, Body 3.0x2.6mm (max), Pitch 0.95mm, IPC Medium Density"
  rect 1.27x3.68 smd: 1(-7.62,-2.475) 2(-7.62,2.475) 3(-5.08,-2.475) 4(-5.08,2.475) 5(-2.54,-2.475) 6(-2.54,2.475) 7(0,-2.475) 8(0,2.475) 9(2.54,-2.475) 10(2.54,2.475) 11(5.08,-2.475) 12(5.08,2.475) 13(7.62,-2.475) 14(7.62,2.475)
  silkscreen extent -9.78,-5.08 9.78,3.56, body extent -9.02,-3.68 8.76,3.68, height 9.71
SAMTEC_TSM-108-01-TM-DV-P [mm] "SAMTEC, 2.56mm pitch, 7x2 Connector"
  rect 1.27x3.68 smd: 1(-8.89,-2.475) 2(-8.89,2.475) 3(-6.35,-2.475) 4(-6.35,2.475) 5(-3.81,-2.475) 6(-3.81,2.475) 7(-1.27,-2.475) 8(-1.27,2.475) 9(1.27,-2.475) 10(1.27,2.475) 11(3.81,-2.475) 12(3.81,2.475) 13(6.35,-2.475) 14(6.35,2.475) 15(8.91,-2.475) 16(8.91,2.475)
  silkscreen extent -11.05,-5.08 11.05,3.56, body extent -10.16,-3.68 10.16,3.3, height 9.74
SC70-6 [mm]
  rect 0.85x0.35 smd: 1(-1.1,0.65) 2(-1.1,0) 3(-1.1,-0.65) 4(1.1,-0.65) 5(1.1,0) 6(1.1,0.65)
  silkscreen extent -1.23,-1 0.45,1.5, body extent -0.63,-1 0.63,1, height 1.1
SOIC127P1030X267-16N [mm] "SOIC, 16-Leads, Body 10.5x7.6mm (max), Pitch 1.27mm, IPC Medium Density"
  oval 2.05x0.6 smd: 1(-4.65,4.445) 2(-4.65,3.175) 3(-4.65,1.905) 4(-4.65,0.635) 5(-4.65,-0.635) 6(-4.65,-1.905) 7(-4.65,-3.175) 8(-4.65,-4.445) 9(4.65,-4.445) 10(4.65,-3.175) 11(4.65,-1.905) 12(4.65,-0.635) 13(4.65,0.635) 14(4.65,1.905) 15(4.65,3.175) 16(4.65,4.445)
  silkscreen extent -4.77,-5.25 3.22,5.42, body extent -3.81,-5.23 3.81,5.23, height 2.67
SOIC150-8_N [mm] "8-Pin Plastic Narrow Body Small Outline Integrated Circuit 1.27 mm Pitch, IPC Medium Density"
  rect 1.8x0.6 smd: 1(-2.6,1.905) 2(-2.6,0.635) 3(-2.6,-0.635) 4(-2.6,-1.905) 5(2.6,-1.905) 6(2.6,-0.635) 7(2.6,0.635) 8(2.6,1.905)
  silkscreen extent -2.73,-2.5 1.3,2.88, body extent -2,-2.5 2,2.5, height 1.76
SOT23-5 [mm] "SOT23, 5-Leads, Body 3.0x3.0mm (max), Pitch 0.95mm, IPC Medium Density"
  rect 1x0.7 smd: 1(-1.3,0.95) 2(-1.3,0) 3(-1.3,-0.95) 4(1.3,-0.95) 5(1.3,0.95)
  silkscreen extent -1.42,-1.5 0,1.97, body extent -0.85,-1.5 0.85,1.5, height 1.45
SOT23-6#1 [mm] "SOT23, 6-Leads, Body 3.0x3.0mm (max), Pitch 0.95mm, IPC Medium Den"
  rect 0.85x0.35 smd: 1(-1.1,0.95) 2(-1.1,0) 3(-1.1,-0.95) 4(1.1,-0.95) 5(1.1,0) 6(1.1,0.95)
  silkscreen extent -1.22,-1.5 0,1.8, body extent -0.85,-1.5 0.85,1.5, height 1.45
SOT23-6#2 [mm] "SOT23, 6-Leads, Body 3.0x3.0mm (max), Pitch 0.95mm, IPC Medium Den"
  rect 0.85x0.5 smd: 1(-1.25,0.95) 2(-1.25,0) 3(-1.25,-0.95) 4(1.25,-0.95) 5(1.25,0) 6(1.25,0.95)
  silkscreen extent -1.22,-1.5 0,1.8, body extent -0.85,-1.5 0.85,1.5, height 1.45
SOT95P245X110-3N [mm] "SOT23, 3-Leads, Body 3.0x2.6mm (max), Pitch 0.95mm, IPC Medium Density"
  rect 1.4x1 smd: 1(-1.1,0.95) 2(-1.1,-0.95) 3(1.1,0)
  silkscreen extent -1.14,-1.63 1.37,2.03, body extent -0.99,-1.5 1.25,1.5, height 1.1